# Altium PCB GS_Template.PcbDoc
Units mil, origin at the board's own origin, x right, y up, seen from the top; angles counter-clockwise.
Board outline 973.21 x 976.26 mil, 6 copper layers (Top Layer, Int1 (GND), Int2 (Sign), Int3 (Sign), Int4 (PWR), Bottom Layer), stack 61.068 mil thick; 2 components, 14 nets, 32 pads, 0 vias.
Unrouted connection lines stored in the file: 78.
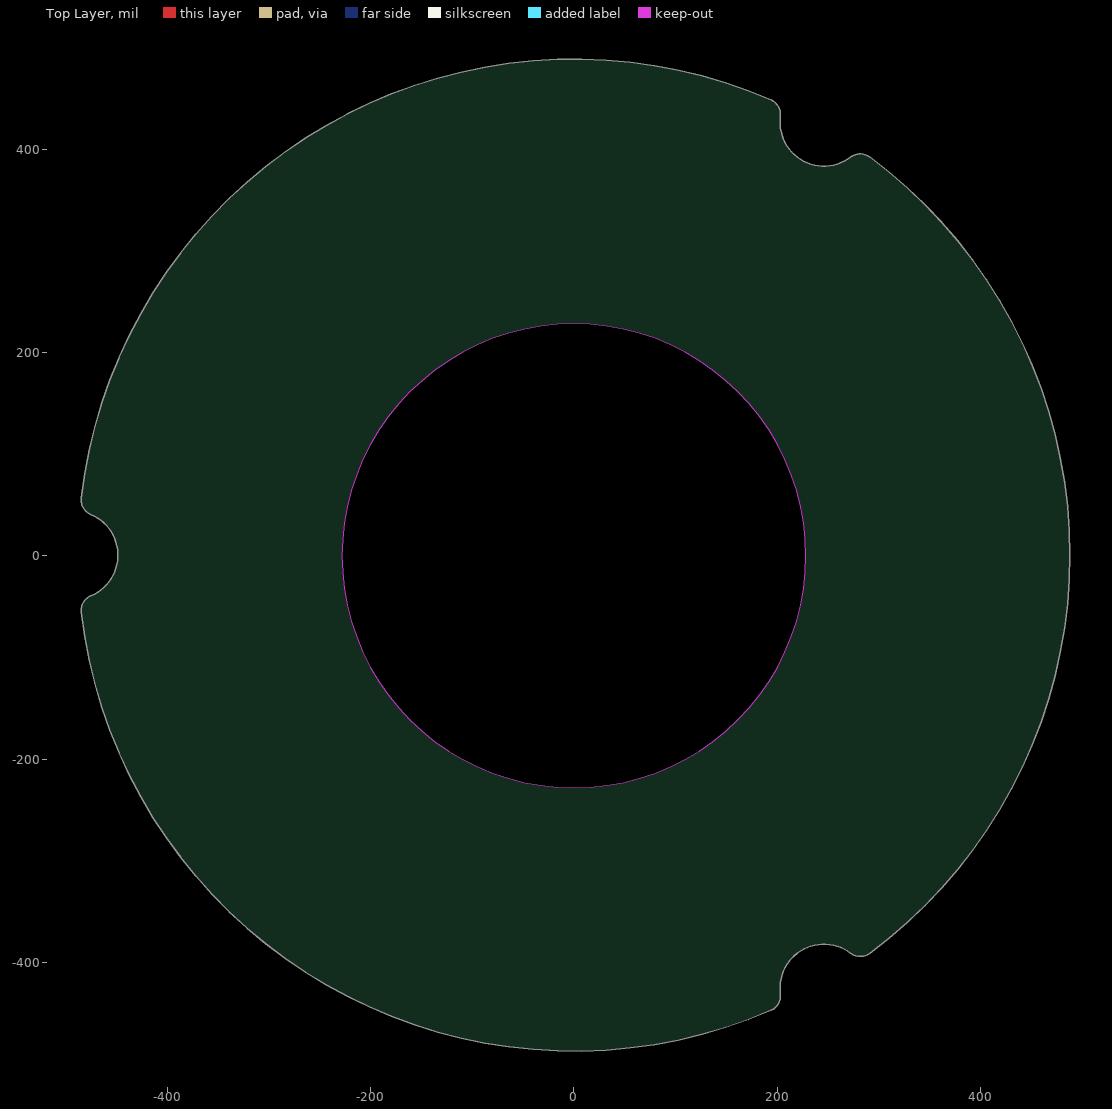
[diagram p0: Top Layer view]
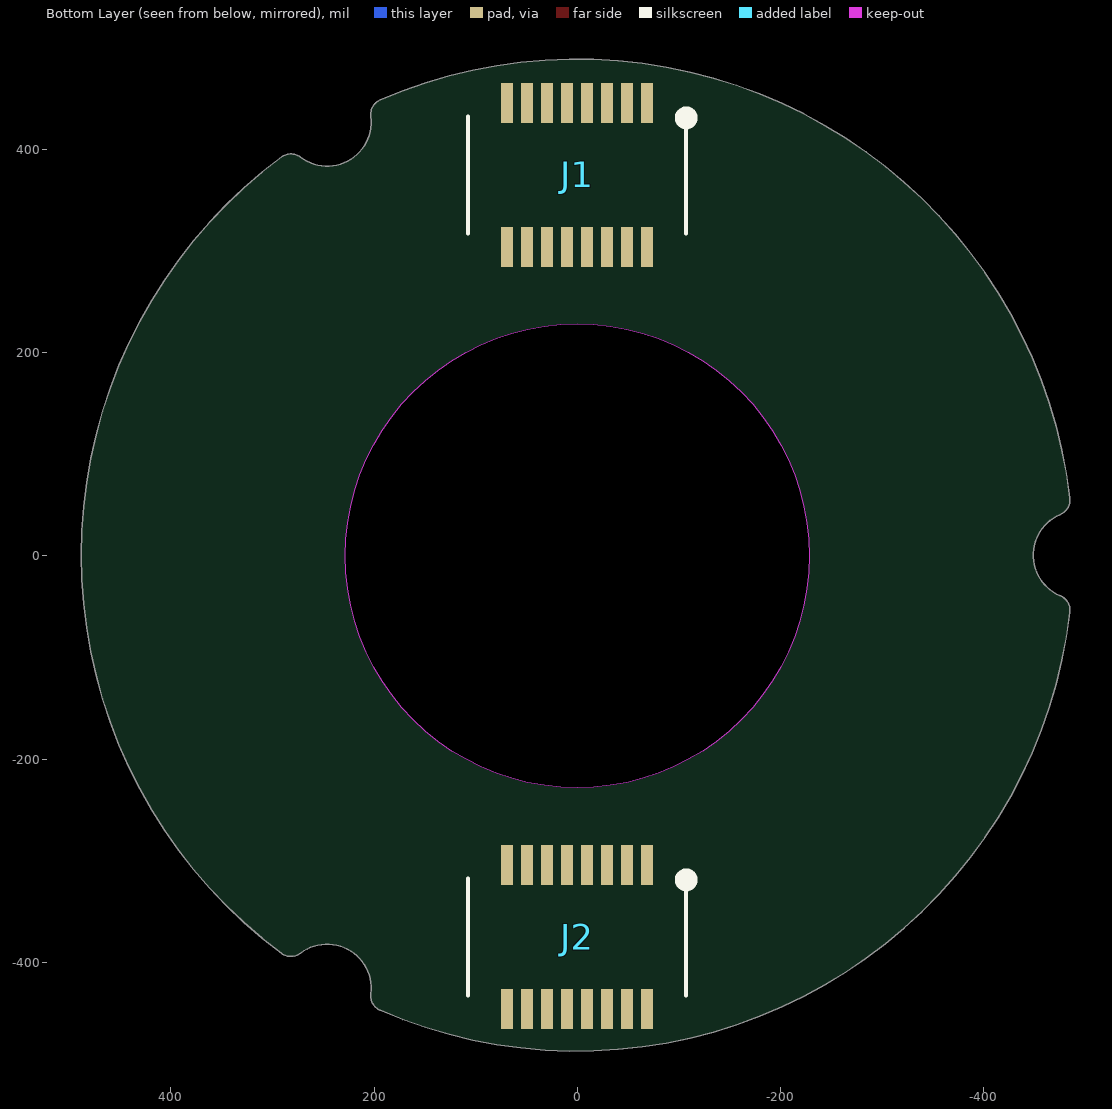
[diagram p1: Bottom Layer view, seen from below]

## Layer stack, top to bottom
Top Solder: solder mask 1, SM-002, Dk 4
Top Layer: signal copper 1.378
Dielectric 1: prepreg 2.8, PP-006, Dk 4.1
Dielectric 2: prepreg 2.8, PP-006, Dk 4.1
Int1 (GND): signal copper 1.378
Dielectric 3: core 18, Core-035, Dk 4.7
Int2 (Sign): signal copper 1.378
Dielectric 4: prepreg 2.8, PP-006, Dk 4.1
Dielectric 5: prepreg 2.8, PP-006, Dk 4.1
Int3 (Sign): signal copper 1.378
Dielectric 6: core 18, Core-035, Dk 4.7
Int4 (PWR): signal copper 1.378
Dielectric 7: prepreg 2.8, PP-006, Dk 4.1
Dielectric 8: prepreg 2.8, PP-006, Dk 4.1
Bottom Layer: signal copper 1.378
Bottom Solder: solder mask 1, SM-002, Dk 4

## Board outline
-484.89,-55.57 cw(c-469.25,-53.75) -475.33,-39.23 ccw(c-492.08,0.71) -475.33,40.65 cw(c-469.25,55.17) -484.89,56.98 cw(c0.05,0.71) 193.78,448.81 cw(c187.53,434.36) 203.15,432.37 ccw(c246.11,426.9) 272.32,392.43 cw(c281.86,379.89) 291.25,392.53 cw(c0.05,0.71) 291.25,-391.12 cw(c281.86,-378.48) 272.32,-391.02 ccw(c246.11,-425.49) 203.15,-430.95 cw(c187.53,-432.94) 193.78,-447.4 cw(c0.05,0.71)
cut-out: -228.35,0 ccw(c0,0) 0,-228.35 ccw(c0,0) 228.35,0 ccw(c0,0) 0,228.35 ccw(c0,0)

## Design rules (kind name [scope] priority, off if disabled: settings)
BoardOutlineClearance [All] p1: gap=8 ignorepadtopadclearanceinfootprint=FALSE
Clearance [All] p1: gap=5 ignorepadtopadclearanceinfootprint=FALSE
ComponentClearance [not InComponent('U4')] p1: gap=4 collisioncheckmode=3 verticalgap=1 showdistances=FALSE
HoleSize [All] p1: absolutevalues=TRUE maxlimit=100 minlimit=6 maxpercent=80.000 minpercent=20.000
PlaneClearance [All] p1: clearance=8
PlaneConnect [All] p1: planeconnectstyle=Direct reliefexpansion=20 reliefentries=4 reliefconductorwidth=10 reliefairgap=10
PolygonConnect [All] p1: thpad.connectstyle=Relief thpad.reliefconductorwidth=6 thpad.reliefentries=4 thpad.polygonreliefangle="90 Angle" thpad.airgapwidth=6 smdpad.connectstyle=Relief smdpad.reliefconductorwidth=6 smdpad.reliefentries=4 smdpad.polygonreliefangle="90 Angle" smdpad.airgapwidth=6 via.connectstyle=Direct via.reliefconductorwidth=6 via.reliefentries=4 via.polygonreliefangle="90 Angle" via.airgapwidth=6
RoutingVias [All] p1: holewidth=8 width=16 viastyle="Through Hole" minholewidth=6 minwidth=12 maxholewidth=20 maxwidth=40
SolderMaskExpansion [IsVia] p1: expansion=4 istentingtop=TRUE
Width [All] p1: maxlimit=50 minlimit=5 preferedwidth=5
26 further rules are at their usual default settings.

## Components (designator, comment, footprint, x,y, rotation, side; value= is the part's Value field where it differs from the comment)
J1 "500334-0160" 5003340160 0,375 r0 bottom locked
J2 "500334-0160" 5003340160 0,-375 r0 bottom locked

## Footprints (in the part's own frame and the unit in brackets; to place one, negate y for a bottom-side part, rotate by r counter-clockwise, add the part's x,y. Pads: shape width x height; smd on the part's side, far side on the other; paste and mask are expansions set on the pad)
5003340160 [mm]
  rect 0.3x1 smd mask+0.025: 1(-1.75,-1.8) 2(-1.25,-1.8) 3(-0.75,-1.8) 4(-0.25,-1.8) 5(0.25,-1.8) 6(0.75,-1.8) 7(1.25,-1.8) 8(1.75,-1.8) 9(1.75,1.8) 10(1.25,1.8) 11(0.75,1.8) 12(0.25,1.8) 13(-0.25,1.8) 14(-0.75,1.8) 15(-1.25,1.8) 16(-1.75,1.8)
  silkscreen extent -2.88,-1.58 2.73,1.46, body extent -2.73,-2.1 2.73,2.1, height 1.58

## Part data
J1 J2: "Connector", Manufacturer_Name=Molex, Mouser Part Number=538-500334-0160, Height=1.68mm, Manufacturer_Part_Number=500334-0160, Mouser Price/Stock=https://www.mouser.co.uk/ProductDetail/Molex/500334-0160?qs=ICeuwU4uWg1Cw%2F8VAmRoPA%3D%3D

## Nets (pads, with @x,y where several pads share a name; then routed paths per layer and width w, separated by ;. In a path a pad name is that pad's centre, name@x,y a point inside that pad or via, vN(x,y) a via of type N, cw(c..) or ccw(c..) an arc to the next point about the centre after c; other vN are vias at no path point)
3V3: J1.7 J1.8 J1.9 J1.10
5V: J1.1 J1.2 J1.15 J1.16
GND: J1.3 J1.4 J1.5 J1.6 J1.11 J1.12 J1.14 J2.4 J2.5 J2.6 J2.12 J2.13 J2.15
I2S_CLK: J2.10
I2S_DATA: J2.9
I2S_WS: J2.11
MIC_ANA_A: J2.14
MIC_ANA_P: J2.16
NetJ1_13: J1.13
NetJ2_1: J2.1
NetJ2_2: J2.2
NetJ2_3: J2.3
NetJ2_7: J2.7
NetJ2_8: J2.8